# Altium PCB MiniPC.PcbDoc (part 1 of 23) (continued)
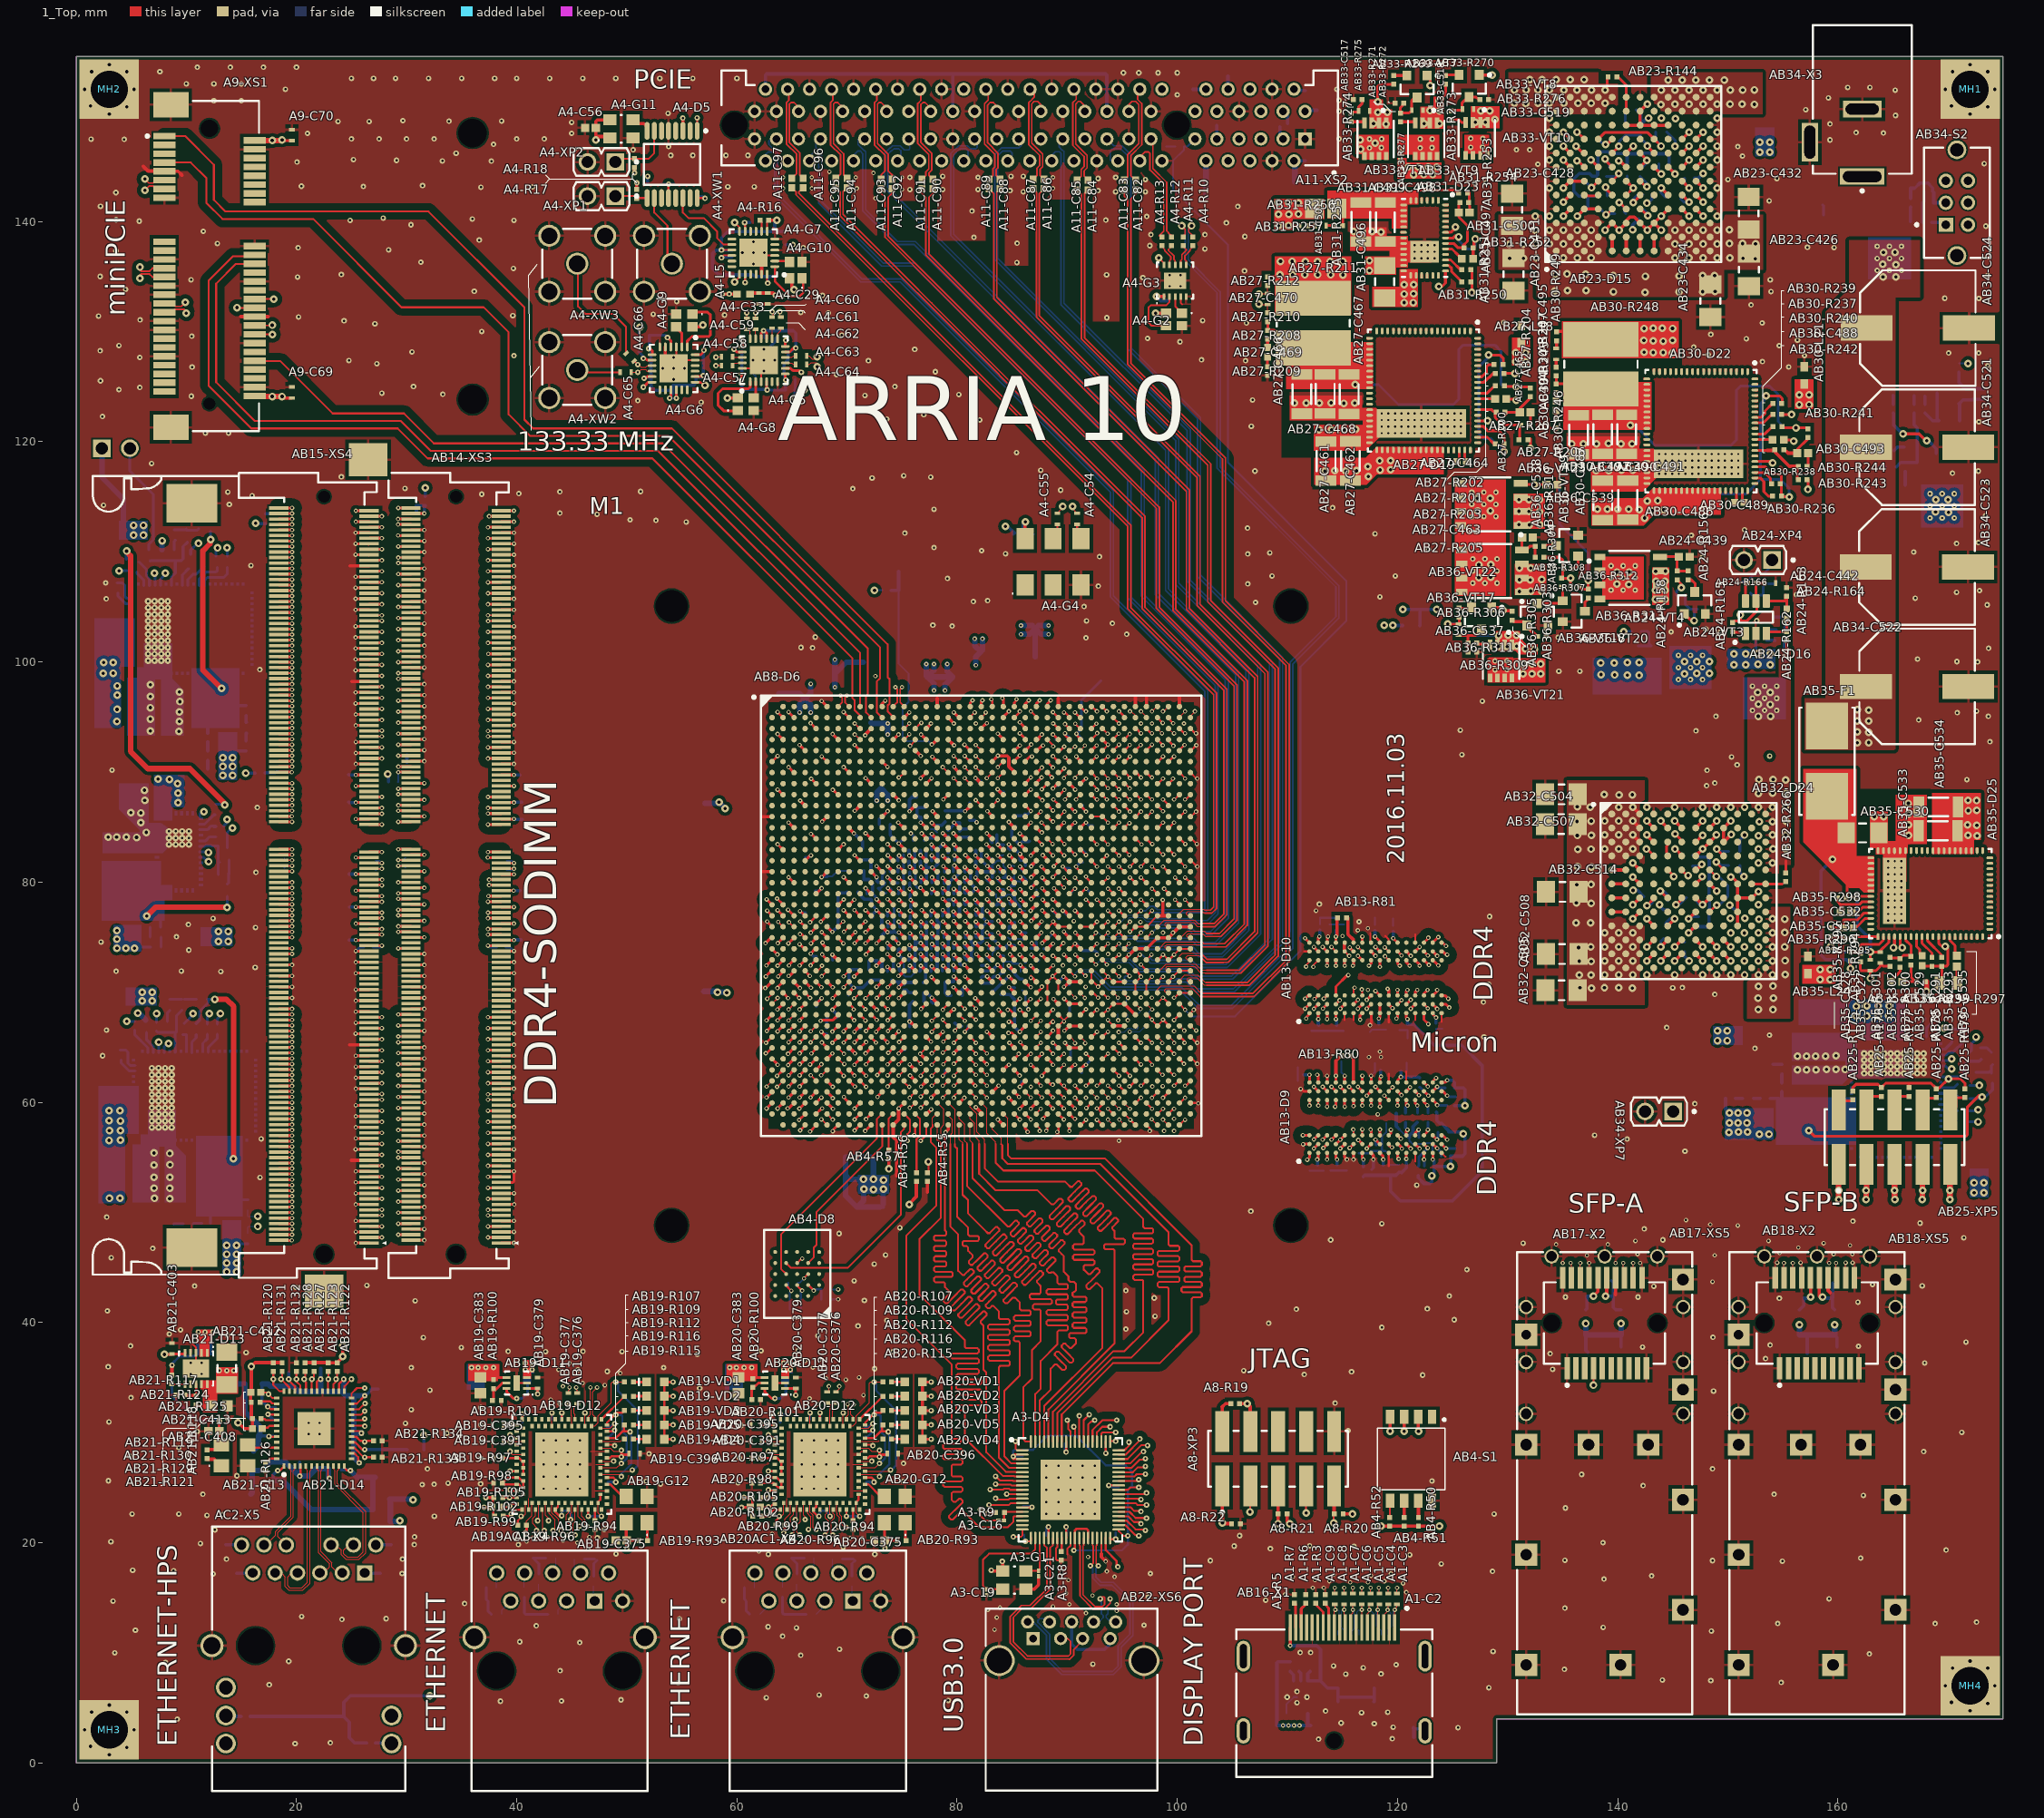
[diagram p0: 1_Top view]
## Design rules (kind name [scope] priority, off if disabled: settings) (continued)
Height [All] p1: minheight=0 maxheight=40 prefheight=10
HoleSize [All] p1: absolutevalues=TRUE maxlimit=5 minlimit=0.025 maxpercent=80.000 minpercent=20.000
Length Length_DDR4_ALERT0_BG0 [InNet('DDR4_ALERT0')or InNet('DDR4_BG0')] p1: maxlimit=114.2 minlimit=114
Length Length_SODIMM_DDR4_ADD_SIGN [((InNet('DDR4_BLK1.CTRL.ODT_1') OR InNet('DDR4_BLK1.CTRL.CS_1') OR InNet('DDR4_BLK1.CTRL.CKE_1')))] p2: maxlimit=106.4 minlimit=106.2
MatchedLengths MatchedLengths_ENET_HPS [InxSignalClass('xSignals_U11_U1')] p1: tolerance=0.5 checknetsindiffpair=FALSE checkdiffpairvsdiffpair=TRUE checkxsignals=TRUE checkothers=TRUE
MatchedLengths MatchedLengths_USB3 [InNetClass('USB3')] p2: tolerance=1 checknetsindiffpair=FALSE checkdiffpairvsdiffpair=TRUE checkxsignals=TRUE checkothers=TRUE
MatchedLengths MatchedLengths_PCIE_RX_TX_TX_C_CLK [InNetClass('PCIE_RX')or InNetClass('PCIE_TX')or InNetClass('PCIE_TX_C')or InNetClass('PCIE_CLK')] p3: tolerance=0.13 checknetsindiffpair=TRUE checkdiffpairvsdiffpair=FALSE checkxsignals=FALSE checkothers=FALSE
MatchedLengths MatchedLengths_DDR4_U1_U14 [InxSignalClass('xSignal_U1_U14')] p4: tolerance=0.2 checknetsindiffpair=FALSE checkdiffpairvsdiffpair=TRUE checkxsignals=TRUE checkothers=TRUE
MatchedLengths MatchedLengths_DDR4_U1_U15 [InxSignalClass('U14_U15')] p5: tolerance=0.2 checknetsindiffpair=FALSE checkdiffpairvsdiffpair=TRUE checkxsignals=TRUE checkothers=TRUE
MatchedLengths MatchedLengths_DDR4_SODIMM_J8_J20 [InxSignalClass('xSignals_J8_J20')] p6: tolerance=1 checknetsindiffpair=FALSE checkdiffpairvsdiffpair=TRUE checkxsignals=TRUE checkothers=TRUE
MatchedLengths MatchedLengths_DDR4_SODIMM_U1_J20 [InDifferentialPairClass('DDR4_SODIMM_CK2') or InDifferentialPairClass('DDR4_SODIMM_CK3') or InNet ('DDR4_BLK1.CTRL.ODT_1') or InNet ('DDR4_BLK1.CTRL.CS_1') or InNet ('DDR4_BLK1.CTRL.CKE_1')] p7: tolerance=0.2 checknetsindiffpair=FALSE checkdiffpairvsdiffpair=TRUE checkxsignals=TRUE checkothers=TRUE
MatchedLengths MatchedLengths_DDR4_SODIMM_U1_J8 [InxSignalClass('xSignals_U1_J8')] p8: tolerance=0.2 checknetsindiffpair=FALSE checkdiffpairvsdiffpair=TRUE checkxsignals=TRUE checkothers=TRUE
MatchedLengths MatchedLengths_BYTELINE_IC_DDR4 [InNetClass('DDR4_BYTELINE0')or InNetClass('DDR4_BYTELINE1')or InNetClass('DDR4_BYTELINE2')or InNetClass('DDR4_BYTELINE3')] p9: tolerance=0.2 checknetsindiffpair=FALSE checkdiffpairvsdiffpair=TRUE checkxsignals=TRUE checkothers=TRUE
MatchedLengths MatchedLengths_DDR4_DIFF [InDifferentialPairClass('DDR4_SODIMM_80')] p10: tolerance=0.1 checknetsindiffpair=TRUE checkdiffpairvsdiffpair=FALSE checkxsignals=FALSE checkothers=FALSE
MatchedLengths MatchedLengths_SFP [InDifferentialPairClass('SFPA_RX')OR InDifferentialPairClass('SFPA_TX')OR InDifferentialPairClass('SFPB_RX') OR InDifferentialPairClass('SFPB_TX')] p11: tolerance=0.5 checknetsindiffpair=TRUE checkdiffpairvsdiffpair=FALSE checkxsignals=FALSE checkothers=FALSE
MinimumSolderMaskSliver [All] p1: minsoldermaskwidth=0.01
NetAntennae [All] p1 off: netantennaetolerance=6
PlaneClearance PlaneClearance_SFP_VIA [InDifferentialPairClass('SFPA_RX')OR InDifferentialPairClass('SFPA_TX')OR InDifferentialPairClass('SFPB_RX') OR InDifferentialPairClass('SFPB_TX')] p1: clearance=0.8
PlaneClearance [All] p2: clearance=0.2
PolygonConnect PolygonConnect_Power [InNet('GND_DP_2')or InNet('aux_12V_1')or InNet('3V3_OUTPUT')or InNet ('Core_0V9_1') or InNet('12_OUTPUT') or InNet('3V3_1') or InNet('12V_INPUT')] p1: connectstyle=Direct reliefconductorwidth=0.254 reliefentries=4 polygonreliefangle="90 Angle" airgapwidth=0.254
PolygonConnect PolygonConnect_MH [(ObjectKind = 'Pad') And (Name Like 'MH*-MH1')] p2: connectstyle=Direct reliefconductorwidth=0.254 reliefentries=4 polygonreliefangle="90 Angle" airgapwidth=0.254
PolygonConnect PolygonConnect_via [IsVia] p3: connectstyle=Direct reliefconductorwidth=0.254 reliefentries=4 polygonreliefangle="90 Angle" airgapwidth=0.254
PolygonConnect PolygonConnect_Pad [InPadClass('Class_Term')or InPadClass('Class_Polygon')] p4: connectstyle=Direct reliefconductorwidth=0.254 reliefentries=4 polygonreliefangle="90 Angle" airgapwidth=0.254
PolygonConnect PolygonConnect_No_Polygon [InPadClass('Class No Polygon')] p5: connectstyle=NoConnect reliefconductorwidth=0.254 reliefentries=4 polygonreliefangle="90 Angle" airgapwidth=0.254
PolygonConnect PolygonConnect_GND [InNet('GND')] p6: thpad.connectstyle=Relief thpad.reliefconductorwidth=0.25 thpad.reliefentries=4 thpad.polygonreliefangle="90 Angle" thpad.airgapwidth=0.3 smdpad.connectstyle=Relief smdpad.reliefconductorwidth=0.25 smdpad.reliefentries=4 smdpad.polygonreliefangle="90 Angle" smdpad.airgapwidth=0.3 via.connectstyle=Direct via.reliefconductorwidth=0.25 via.reliefentries=4 via.polygonreliefangle="90 Angle" via.airgapwidth=0.3
PolygonConnect [All] p7: thpad.connectstyle=Relief thpad.reliefconductorwidth=0.3 thpad.reliefentries=4 thpad.polygonreliefangle="90 Angle" thpad.airgapwidth=0.25 smdpad.connectstyle=Relief smdpad.reliefconductorwidth=0.3 smdpad.reliefentries=4 smdpad.polygonreliefangle="90 Angle" smdpad.airgapwidth=0.25 via.connectstyle=Direct via.reliefconductorwidth=0.254 via.reliefentries=4 via.polygonreliefangle="90 Angle" via.airgapwidth=0.254
RoomDefinition "Board Template Connector" [InComponentClass('Board Template Connector')] p1: confinementstyle=ConfineIn formatcopy=TRUE lockcomponents=FALSE outline -212.6,-167.2 -161.8,-167.2 -161.8,-141.8 -212.6,-141.8
RoomDefinition AB25 [InComponentClass('AB25')] p2: confinementstyle=ConfineIn formatcopy=TRUE lockcomponents=FALSE outline -212.6,-167.2 -161.8,-167.2 -161.8,-141.8 -212.6,-141.8
RoomDefinition AB18 [InComponentClass('AB18')] p3: confinementstyle=ConfineIn formatcopy=TRUE lockcomponents=FALSE outline -212.6,-167.2 -161.8,-167.2 -161.8,-141.8 -212.6,-141.8
RoomDefinition AB17 [InComponentClass('AB17')] p4: confinementstyle=ConfineIn formatcopy=TRUE lockcomponents=FALSE outline -212.6,-167.2 -161.8,-167.2 -161.8,-141.8 -212.6,-141.8
RoomDefinition AB16 [InComponentClass('AB16')] p5: confinementstyle=ConfineIn formatcopy=TRUE lockcomponents=FALSE outline -212.6,-167.2 -161.8,-167.2 -161.8,-141.8 -212.6,-141.8
RoomDefinition AB15 [InComponentClass('AB15')] p6: confinementstyle=ConfineIn formatcopy=TRUE lockcomponents=FALSE outline -212.6,-167.2 -161.8,-167.2 -161.8,-141.8 -212.6,-141.8
RoomDefinition AB14 [InComponentClass('AB14')] p7: confinementstyle=ConfineIn formatcopy=TRUE lockcomponents=FALSE outline -212.6,-167.2 -161.8,-167.2 -161.8,-141.8 -212.6,-141.8
RoomDefinition AB13 [InComponentClass('AB13')] p8: confinementstyle=ConfineIn formatcopy=TRUE lockcomponents=FALSE outline -212.6,-167.2 -161.8,-167.2 -161.8,-141.8 -212.6,-141.8
RoomDefinition AB9 [InComponentClass('AB9')] p9: confinementstyle=ConfineIn formatcopy=TRUE lockcomponents=FALSE outline -212.6,-167.2 -161.8,-167.2 -161.8,-141.8 -212.6,-141.8
RoomDefinition AB7 [InComponentClass('AB7')] p10: confinementstyle=ConfineIn formatcopy=TRUE lockcomponents=FALSE outline -212.6,-167.2 -161.8,-167.2 -161.8,-141.8 -212.6,-141.8
RoomDefinition AB4 [InComponentClass('AB4')] p11: confinementstyle=ConfineIn formatcopy=TRUE lockcomponents=FALSE outline -212.6,-167.2 -161.8,-167.2 -161.8,-141.8 -212.6,-141.8
RoomDefinition AB3 [InComponentClass('AB3')] p12: confinementstyle=ConfineIn formatcopy=TRUE lockcomponents=FALSE outline -212.6,-167.2 -161.8,-167.2 -161.8,-141.8 -212.6,-141.8
RoomDefinition AB2 [InComponentClass('AB2')] p13: confinementstyle=ConfineIn formatcopy=TRUE lockcomponents=FALSE outline -212.6,-167.2 -161.8,-167.2 -161.8,-141.8 -212.6,-141.8
RoomDefinition A11 [InComponentClass('A11')] p14: confinementstyle=ConfineIn formatcopy=TRUE lockcomponents=FALSE outline -212.6,-167.2 -161.8,-167.2 -161.8,-141.8 -212.6,-141.8
RoomDefinition A9 [InComponentClass('A9')] p15: confinementstyle=ConfineIn formatcopy=TRUE lockcomponents=FALSE outline -212.6,-167.2 -161.8,-167.2 -161.8,-141.8 -212.6,-141.8
RoomDefinition A8 [InComponentClass('A8')] p16: confinementstyle=ConfineIn formatcopy=TRUE lockcomponents=FALSE outline -212.6,-167.2 -161.8,-167.2 -161.8,-141.8 -212.6,-141.8
RoomDefinition A4 [InComponentClass('A4')] p17: confinementstyle=ConfineIn formatcopy=TRUE lockcomponents=FALSE outline -212.6,-167.2 -161.8,-167.2 -161.8,-141.8 -212.6,-141.8
RoomDefinition A3 [InComponentClass('A3')] p18: confinementstyle=ConfineIn formatcopy=TRUE lockcomponents=FALSE outline -212.6,-167.2 -161.8,-167.2 -161.8,-141.8 -212.6,-141.8
RoomDefinition A1 [InComponentClass('A1')] p19: confinementstyle=ConfineIn formatcopy=TRUE lockcomponents=FALSE outline -212.6,-167.2 -161.8,-167.2 -161.8,-141.8 -212.6,-141.8
RoomDefinition AB20 [InComponentClass('AB20')] p20: confinementstyle=ConfineIn formatcopy=TRUE lockcomponents=FALSE outline 58.1,-3 78.65,-3 78.65,36.9 58.1,36.9
RoomDefinition AC11 [InComponentClass('AC11')] p21: confinementstyle=ConfineIn formatcopy=TRUE lockcomponents=FALSE outline 117.535,32.71 124.935,32.71 124.935,20.7 117.535,20.7
RoomDefinition AC2 [InComponentClass('AC2')] p22: confinementstyle=ConfineIn formatcopy=TRUE lockcomponents=FALSE outline 62.625,48.8 69.525,48.8 69.525,40 62.625,40
RoomDefinition AC12 [InComponentClass('AC12')] p23: confinementstyle=ConfineIn formatcopy=TRUE lockcomponents=FALSE outline 56.3,97.8 102.8,97.8 102.8,56.2 56.3,56.2
RoomDefinition AB35 [InComponentClass('AB35')] p24: confinementstyle=ConfineIn formatcopy=TRUE lockcomponents=FALSE outline 110.6,63 125.4,63 125.4,52.62 110.6,52.62
RoomDefinition AB32 [InComponentClass('AB32')] p25: confinementstyle=ConfineIn formatcopy=TRUE lockcomponents=FALSE outline 110.6,75.7 125.4,75.7 125.4,66.9 110.6,66.9
RoomDefinition AB28 [InComponentClass('AB28')] p26: confinementstyle=ConfineIn formatcopy=TRUE lockcomponents=FALSE outline 16.6,43.7 29.2,43.7 29.2,117.15 16.6,117.15
RoomDefinition AB27 [InComponentClass('AB27')] p27: confinementstyle=ConfineIn formatcopy=TRUE lockcomponents=FALSE outline 25,43.8 41.5,43.8 41.5,117.2 25,117.2
RoomDefinition AB33 [InComponentClass('AB33')] p28: confinementstyle=ConfineIn formatcopy=TRUE lockcomponents=FALSE outline 102.46,33.325 102.46,20.925 116.46,20.925 116.46,33.325
RoomDefinition AB26 [InComponentClass('AB26')] p29: confinementstyle=ConfineIn formatcopy=TRUE lockcomponents=FALSE outline 129.27,144.3 129.27,154 115.2,154 115.2,144.3
RoomDefinition AB34 [InComponentClass('AB34')] p30: confinementstyle=ConfineIn formatcopy=TRUE lockcomponents=FALSE outline 124.9,97.9 137.8,97.9 137.8,117 124.9,117
RoomDefinition AB36 [InComponentClass('AB36')] p31: confinementstyle=ConfineIn formatcopy=TRUE lockcomponents=FALSE outline 17.8,119.25 17.8,152.45 5.7,152.45 5.7,119.25
RoomDefinition AB19 [InComponentClass('AB19')] p32: confinementstyle=ConfineIn formatcopy=TRUE lockcomponents=FALSE outline 155,158 175,158 175,91 174.5,91.5 158,91.5 158,131.5 155,131.5
RoomDefinition AB31 [InComponentClass('AB31')] p33: confinementstyle=ConfineIn formatcopy=TRUE lockcomponents=FALSE outline 173.575,51.3 173.575,70.131 152.975,70.131 152.975,51.3
RoomDefinition AB1 [InComponentClass('AB1')] p34: confinementstyle=ConfineIn formatcopy=TRUE lockcomponents=FALSE outline 81.4,-3 98.8,-3 98.8,32.225 81.4,32.225
RoomDefinition AB29 [InComponentClass('AB29')] p35: confinementstyle=ConfineIn formatcopy=TRUE lockcomponents=FALSE outline 32.9,40.125 7.287,40.125 7.287,-2.9 32.9,-2.9
RoomDefinition AB21 [InComponentClass('AB21')] p36: confinementstyle=ConfineIn formatcopy=TRUE lockcomponents=FALSE outline 123.95,16.9 104.8,16.9 104.8,-6.1 123.95,-6.1
RoomDefinition AB24 [InComponentClass('AB24')] p37: confinementstyle=ConfineIn formatcopy=TRUE lockcomponents=FALSE outline 149.6,-3.8 166.6,-3.8 166.6,47.7 149.6,47.7
RoomDefinition AB23 [InComponentClass('AB23')] p38: confinementstyle=ConfineIn formatcopy=TRUE lockcomponents=FALSE outline 130.3,-3.8 147.3,-3.8 147.3,47.7 130.3,47.7
RoomDefinition AB30 [InComponentClass('AB30')] p39: confinementstyle=ConfineIn formatcopy=TRUE lockcomponents=FALSE outline 34.65,-3 55.2,-3 55.2,36.9 34.65,36.9
RoomDefinition AB22 [InComponentClass('AB22')] p40: confinementstyle=ConfineIn formatcopy=TRUE lockcomponents=FALSE outline 115.2,142.1 115.2,156.75 57.6,156.75 57.6,142.1
RoutingVias "VIA 0.4_0.2" [WithinRoom('Room_U1')or WithinRoom('RoomDefinition_U10')or WithinRoom('Sheet_9_Display_Port')or InDifferentialPairClass('SFPA_RX')or InDifferentialPairClass('SFPA_TX')OR InDifferentialPairClass('SFPB_RX') OR InDifferentialPairClass('SFPB_TX')or WithinRoom('Room_SDRAM_1')or WithinRoom('Room_SDRAM_2')] p1: holewidth=0.2 width=0.4 viastyle="Through Hole" minholewidth=0.2 minwidth=0.4 maxholewidth=0.3 maxwidth=0.7
RoutingVias "VIA 0.2_0.5" [WithinRoom('Sheet_6_Ethernet2')or WithinRoom('Sheet_5_Ethernet1')or WithinRoom('Sheet_18_USB3.0')or WithinRoom('Sheet_21_PLL1')] p2: holewidth=0.2 width=0.5 viastyle="Through Hole" minholewidth=0.2 minwidth=0.4 maxholewidth=0.3 maxwidth=0.7
RoutingVias VIA_ALL [All] p3: holewidth=0.3 width=0.4 viastyle="Through Hole" minholewidth=0.2 minwidth=0.3 maxholewidth=0.3 maxwidth=0.7
RoutingVias VIA_POWER [WithinRoom('Sheet_24_12V_to_3V3')or WithinRoom('Sheet_26_3V3_to_1V8')or WithinRoom('Sheet_25_3V3_to_2V5')or WithinRoom('Sheet_27_12V_3V3_1V8_Swiches') or WithinRoom('Sheet_37_2.5V_and_1.8V_Switches')or WithinRoom('Sheet_39_3.3V_and_1.8V_Load')or WithinRoom('Sheet_38_3.3V_and_1.8V_Load')or WithinRoom('Sheet_33_3.3V_to_DDR4_VDD') or WithinRoom('Sheet_23_12V_to_5V')or WithinRoom('Sheet_28_12V_to_0V9')or WithinRoom('Sheet_31_3.3V_to_1.0V')or WithinRoom('Sheet_30_3.3V_to_0.9V')or WithinRoom('Sheet_29_3V3_to_0V9')or WithinRoom('Sheet_35_3.3V_to_VADJ')] p4: holewidth=0.3 width=0.7 viastyle="Through Hole" minholewidth=0.2 minwidth=0.4 maxholewidth=0.3 maxwidth=0.7
ShortCircuit ShortCircuit_1 [not InAnyNet vs not InAnyNet] p1: allowed=TRUE
ShortCircuit [All] p2: allowed=FALSE
SilkToSilkClearance [All] p1: silktosilkclearance=0.02
SilkToSolderMaskClearance [IsPad] p1: minsilkscreentomaskgap=0.01 clearancetoexposedcopper=TRUE
SolderMaskExpansion [All] p1: expansion=0.04 useseparateexpansions=TRUE expansionbottom=0.04
ViasUnderSMD ViasUnderSMD_TERM [InPadClass('Class_Term')] p1: allowed=TRUE
ViasUnderSMD [All] p2: allowed=TRUE
Width Width_POWER [InNet('PCIE_AUX3V3')or InNet('PCIE_DC_3V3')or InNet('3V3')or InNet('IO_5V')] p1: maxlimit=1 minlimit=0.25 preferedwidth=0.7
Width Width_ENET_HPS [InNetClass('ENET_HPS')] p2: maxlimit=0.254 minlimit=0.1 preferedwidth=0.254 toplayer_maxwidth=0.17 toplayer_prefwidth=0.17 midlayer1_maxwidth=0.1 midlayer1_prefwidth=0.1 midlayer2_maxwidth=0.1 midlayer2_prefwidth=0.1 midlayer3_maxwidth=0.1 midlayer3_prefwidth=0.1 midlayer4_maxwidth=0.1 midlayer4_prefwidth=0.1 bottomlayer_maxwidth=0.17 bottomlayer_prefwidth=0.17 minimp=50.000000 maximp=50.000000 favimp=50.000000
Width Width_PCIE_50 [InNetClass('PCIE_Upr')] p3: maxlimit=0.254 minlimit=0.1 preferedwidth=0.254 toplayer_maxwidth=0.17 toplayer_prefwidth=0.17 midlayer1_maxwidth=0.1 midlayer1_prefwidth=0.1 midlayer2_maxwidth=0.1 midlayer2_prefwidth=0.1 midlayer3_maxwidth=0.1 midlayer3_prefwidth=0.1 midlayer4_maxwidth=0.1 midlayer4_prefwidth=0.1 midlayer5_minwidth=0.254 midlayer6_minwidth=0.254 midlayer7_minwidth=0.254 midlayer8_minwidth=0.254 midlayer9_minwidth=0.254 midlayer10_minwidth=0.254 midlayer11_minwidth=0.254 midlayer12_minwidth=0.254 midlayer13_minwidth=0.254 midlayer14_minwidth=0.254 bottomlayer_maxwidth=0.17 bottomlayer_prefwidth=0.17 minimp=50.000000 maximp=50.000000 favimp=50.000000
Width Width_USB3_50 [InNetClass('USB3')] p4: maxlimit=0.25 minlimit=0.1 preferedwidth=0.2 toplayer_maxwidth=0.17 toplayer_prefwidth=0.17 midlayer1_maxwidth=0.1 midlayer1_prefwidth=0.1 midlayer2_maxwidth=0.1 midlayer2_prefwidth=0.1 midlayer3_maxwidth=0.1 midlayer3_prefwidth=0.1 midlayer4_maxwidth=0.1 midlayer4_prefwidth=0.1 bottomlayer_maxwidth=0.17 bottomlayer_prefwidth=0.17 minimp=50.000000 maximp=50.000000 favimp=50.000000
Width Widht_DDR4_40 [InNetClass('DDR4_40')] p5: maxlimit=0.3 minlimit=0.15 preferedwidth=0.25 toplayer_minwidth=0.25 toplayer_maxwidth=0.25 midlayer1_maxwidth=0.15 midlayer1_prefwidth=0.15 midlayer2_maxwidth=0.15 midlayer2_prefwidth=0.15 midlayer3_maxwidth=0.15 midlayer3_prefwidth=0.15 midlayer4_maxwidth=0.15 midlayer4_prefwidth=0.15 midlayer5_minwidth=0.2 midlayer6_minwidth=0.2 midlayer7_minwidth=0.2 midlayer8_minwidth=0.2 midlayer9_minwidth=0.2 midlayer10_minwidth=0.2 midlayer11_minwidth=0.2 midlayer12_minwidth=0.2 midlayer13_minwidth=0.2 midlayer14_minwidth=0.2 bottomlayer_minwidth=0.25 bottomlayer_maxwidth=0.25 minimp=50.000000 maximp=50.000000 favimp=50.000000
Width Width_sheet_6_and_5_ethernet2 [WithinRoom('Sheet_6_Ethernet2')or WithinRoom('Sheet_5_Ethernet1')] p6: maxlimit=0.25 minlimit=0.1 preferedwidth=0.2
Width [All] p7: maxlimit=0.5 minlimit=0.1 preferedwidth=0.3 toplayer_minwidth=0.17 bottomlayer_minwidth=0.17 minimp=50.000000 maximp=50.000000 favimp=50.000000
Width Width_sheet18_usb3 [WithinRoom('Sheet_18_USB3.0')] p8: maxlimit=0.3 minlimit=0.2 preferedwidth=0.25
Width Width_Power_Sheet12 [InNet('1.2V_DVDDL') or InNet('1.2V_AVDLL_PLL')or InNet('1.2V_AVDDL')or InNet('3.3V_AVDDH')] p9: maxlimit=0.6 minlimit=0.2 preferedwidth=0.25 toplayer_maxwidth=0.3 midlayer1_maxwidth=0.3 midlayer2_maxwidth=0.3 midlayer3_maxwidth=0.3 midlayer4_maxwidth=0.3 midlayer5_maxwidth=0.3 midlayer6_maxwidth=0.3 midlayer7_maxwidth=0.3 midlayer8_maxwidth=0.3 midlayer9_maxwidth=0.3 midlayer10_maxwidth=0.3 midlayer11_maxwidth=0.3 midlayer12_maxwidth=0.3 midlayer13_maxwidth=0.3 midlayer14_maxwidth=0.3 bottomlayer_minwidth=0.3 bottomlayer_prefwidth=0.5 minimp=50.000000 maximp=50.000000 favimp=50.000000
Width Width_Sheet_12 [WithinRoom('Sheet_12_Ethernet-HPS')] p10: maxlimit=0.3 minlimit=0.2 preferedwidth=0.25
Width Power [WithinRoom('Sheet_22_12V_POWER')or WithinRoom('Sheet_24_12V_to_3V3')or WithinRoom('Sheet_26_3V3_to_1V8')or WithinRoom('Sheet_25_3V3_to_2V5')or WithinRoom('Sheet_27_12V_3V3_1V8_Swiches')or WithinRoom('Sheet_37_2.5V_and_1.8V_Switches')or WithinRoom('Sheet_39_3.3V_and_1.8V_Load')or WithinRoom('Sheet_38_3.3V_and_1.8V_Load')or WithinRoom('Sheet_33_3.3V_to_DDR4_VDD')or WithinRoom('Sheet_23_12V_to_5V')or WithinRoom('Sheet_28_12V_to_0V9')or WithinRoom('Sheet_31_3.3V_to_1.0V')or WithinRoom('Sheet_30_3.3V_to_0.9V')or WithinRoom('Sheet_29_3V3_to_0V9')or WithinRoom('Sheet_35_3.3V_to_VADJ')] p11: maxlimit=0.5 minlimit=0.1 preferedwidth=0.15 toplayer_minwidth=0.25 toplayer_prefwidth=0.3 midlayer1_maxwidth=0.254 midlayer2_maxwidth=0.254 midlayer3_maxwidth=0.254 midlayer4_maxwidth=0.254 midlayer5_maxwidth=0.254 midlayer6_maxwidth=0.254 midlayer7_maxwidth=0.254 midlayer8_maxwidth=0.254 midlayer9_maxwidth=0.254 midlayer10_maxwidth=0.254 midlayer11_maxwidth=0.254 midlayer12_maxwidth=0.254 midlayer13_maxwidth=0.254 midlayer14_maxwidth=0.254 bottomlayer_minwidth=0.25 bottomlayer_prefwidth=0.3 minimp=50.000000 maximp=50.000000 favimp=50.000000
20 further rules are at their usual default settings.

## Classes and differential pairs
component class "Board Template Connector": A9-XS1
channel class "SFP Connector": AB17 AB18
channel class "Ethernet Interface": AB19 AB20
channel class "Ethernet Connector": AC11 AC12
net class USB3_BE[0..3]: USB3_BE0 USB3_BE1 USB3_BE2 USB3_BE3
net class USB3_DATA[0..31]: USB3_DATA0 USB3_DATA1 USB3_DATA2 USB3_DATA3 USB3_DATA4 USB3_DATA5 USB3_DATA6 USB3_DATA7 USB3_DATA8 USB3_DATA9 USB3_DATA10 USB3_DATA11 USB3_DATA12 USB3_DATA13 USB3_DATA14 USB3_DATA15 USB3_DATA16 USB3_DATA17 USB3_DATA18 USB3_DATA19 USB3_DATA20 USB3_DATA21 USB3_DATA22 USB3_DATA23 USB3_DATA24 USB3_DATA25 USB3_DATA26 USB3_DATA27 USB3_DATA28 USB3_DATA29 USB3_DATA30 USB3_DATA31
net class ENET_TXD[0..3]: ENET_TXD0 ENET_TXD1 ENET_TXD2 ENET_TXD3
net class ENET_RXD[0..3]: ENET_RXD0 ENET_RXD1 ENET_RXD2 ENET_RXD3
net class DDR4_INT.ADDR.BG[0..1]: DDR4_INT.ADDR.BG0 DDR4_INT.ADDR.BG1
net class DDR4_INT.ADDR.BA[0..1]: DDR4_INT.ADDR.BA0 DDR4_INT.ADDR.BA1
net class DDR4_INT.ADDR.A[0..13]: DDR4_INT.ADDR.A0 DDR4_INT.ADDR.A1 DDR4_INT.ADDR.A2 DDR4_INT.ADDR.A3 DDR4_INT.ADDR.A4 DDR4_INT.ADDR.A5 DDR4_INT.ADDR.A6 DDR4_INT.ADDR.A7 DDR4_INT.ADDR.A8 DDR4_INT.ADDR.A9 DDR4_INT.ADDR.A10 DDR4_INT.ADDR.A11 DDR4_INT.ADDR.A12 DDR4_INT.ADDR.A13
net class DDR4_BLK1.CTRL.SA[0..2]: DDR4_BLK1.CTRL.SA0 DDR4_BLK1.CTRL.SA1 DDR4_BLK1.CTRL.SA2
net class DDR4_BLK1.ADDR.BG[0..1]: DDR4_BLK1.ADDR.BG0 DDR4_BLK1.ADDR.BG1
net class DDR4_BLK1.ADDR.BA[0..1]: DDR4_BLK1.ADDR.BA0 DDR4_BLK1.ADDR.BA1
net class DDR4_BLK1.ADDR.A[0..16]: DDR4_BLK1.ADDR.A0 DDR4_BLK1.ADDR.A1 DDR4_BLK1.ADDR.A2 DDR4_BLK1.ADDR.A3 DDR4_BLK1.ADDR.A4 DDR4_BLK1.ADDR.A5 DDR4_BLK1.ADDR.A6 DDR4_BLK1.ADDR.A7 DDR4_BLK1.ADDR.A8 DDR4_BLK1.ADDR.A9 DDR4_BLK1.ADDR.A10 DDR4_BLK1.ADDR.A11 DDR4_BLK1.ADDR.A12 DDR4_BLK1.ADDR.A13 DDR4_BLK1.ADDR.A14 DDR4_BLK1.ADDR.A15 DDR4_BLK1.ADDR.A16
component class AC12: AB19AC1-X4 AB20AC1-X4
component class AC11: AB19AC1-X4
component class AC2: AC2-C540 AC2-C541 AC2-C542 AC2-C543 AC2-R314 AC2-R315 AC2-X5
component class AB22: AB22-XS6
component class AB16: AB16-X1
net class CLK_DIFF_PCIE: CLK_DIFF1_N CLK_DIFF1_P CLK_DIFF2_N CLK_DIFF2_P
differential pair class USB3_85: USB3_D USB3_SSRX USB3_SSTX USB3_TOD
net class ENET_HPS: CLK DATA ENET_GTX_CLK ENET_RX_CLK ENET_RX_DV ENET_RXD0 ENET_RXD1 ENET_RXD2 ENET_RXD3 ENET_TX_EN
differential pair class 100: A10_HLVDDI AMDI0 AMDI1 AMDI2 AMDI3 BMDI0 BMDI1 BMDI2 BMDI3 CLK_DIFF1 CLK_DIFF2 CLK_ENET_FPGA DP_ML_LANE0 DP_ML_LANE0_C DP_ML_LANE1 DP_ML_LANE1_C DP_ML_LANE2 DP_ML_LANE2_C DP_ML_LANE3 DP_ML_LANE3_C ENETA_RX ENETA_RXC ENETA_TX ENETA_TXC ENETB_RX ENETB_RXC ENETB_TX ENETB_TXC MINI_PCIE_PER MINIPCIE_PET MINIPCIE_REFCLK REFCLK0_FMCB REFCLK1_FMCB REFCLK_DP REFCLK_SDI REFCLK_SMA SFPA_RX SFPA_TX SFPB_RX SFPB_TX TRD1 TRD2 TRD3 TRD4
differential pair class DDR_CKL: DDR4_CLK
net class DDR4_ADDR/C/C: DDR4_INT.ADDR.A0 DDR4_INT.ADDR.A1 DDR4_INT.ADDR.A2 DDR4_INT.ADDR.A3 DDR4_INT.ADDR.A4 DDR4_INT.ADDR.A5 DDR4_INT.ADDR.A6 DDR4_INT.ADDR.A7 DDR4_INT.ADDR.A8 DDR4_INT.ADDR.A9 DDR4_INT.ADDR.A10 DDR4_INT.ADDR.A11 DDR4_INT.ADDR.A12 DDR4_INT.ADDR.A13 DDR4_INT.ADDR.BA0 DDR4_INT.ADDR.BA1 DDR4_INT.ADDR.BG0 DDR4_INT.ADDR.BG1 DDR4_INT.CTRL.ACT DDR4_INT.CTRL.ALERT0 DDR4_INT.CTRL.ALERT1 DDR4_INT.CTRL.CAS DDR4_INT.CTRL.CKE DDR4_INT.CTRL.CLK_N DDR4_INT.CTRL.CLK_P DDR4_INT.CTRL.CSn DDR4_INT.CTRL.ODT DDR4_INT.CTRL.PAR DDR4_INT.CTRL.RAS DDR4_INT.CTRL.RESETn DDR4_INT.CTRL.WEn
net class DDR4_SODIMM_ADDR/C/C: DDR4_BLK1.ADDR.A0 DDR4_BLK1.ADDR.A1 DDR4_BLK1.ADDR.A2 DDR4_BLK1.ADDR.A3 DDR4_BLK1.ADDR.A4 DDR4_BLK1.ADDR.A5 DDR4_BLK1.ADDR.A6 DDR4_BLK1.ADDR.A7 DDR4_BLK1.ADDR.A8 DDR4_BLK1.ADDR.A9 DDR4_BLK1.ADDR.A10 DDR4_BLK1.ADDR.A11 DDR4_BLK1.ADDR.A12 DDR4_BLK1.ADDR.A13 DDR4_BLK1.ADDR.A14 DDR4_BLK1.ADDR.A15 DDR4_BLK1.ADDR.A16 DDR4_BLK1.ADDR.BA0 DDR4_BLK1.ADDR.BA1 DDR4_BLK1.ADDR.BG0 DDR4_BLK1.ADDR.BG1 DDR4_BLK1.CTRL.ACT DDR4_BLK1.CTRL.ALERT DDR4_BLK1.CTRL.CKE DDR4_BLK1.CTRL.CS DDR4_BLK1.CTRL.ODT DDR4_BLK1.CTRL.PARITY DDR4_BLK1.CTRL.RESET DDR4_BLK1.CTRL.SA0 DDR4_BLK1.CTRL.SA1 DDR4_BLK1.CTRL.SA2 DDR4_BLK1.CTRL.SCL DDR4_BLK1.CTRL.SDA DDR4_BLK2.CTRL.CKE DDR4_BLK2.CTRL.CS DDR4_BLK2.CTRL.ODT
net class DDR4_BYTELINE2: DDR4_INT.DL3.DM2 DDR4_INT.DL3.DQ16 DDR4_INT.DL3.DQ17 DDR4_INT.DL3.DQ18 DDR4_INT.DL3.DQ19 DDR4_INT.DL3.DQ20 DDR4_INT.DL3.DQ21 DDR4_INT.DL3.DQ22 DDR4_INT.DL3.DQ23 DDR4_INT.DL3.DQS2_N DDR4_INT.DL3.DQS2_P
net class DDR4_BYTELINE3: DDR4_INT.DL4.DM3 DDR4_INT.DL4.DQ24 DDR4_INT.DL4.DQ25 DDR4_INT.DL4.DQ26 DDR4_INT.DL4.DQ27 DDR4_INT.DL4.DQ28 DDR4_INT.DL4.DQ29 DDR4_INT.DL4.DQ30 DDR4_INT.DL4.DQ31 DDR4_INT.DL4.DQS3_N DDR4_INT.DL4.DQS3_P
net class DDR4_BYTELINE1: DDR4_INT.DL2.DM1 DDR4_INT.DL2.DQ8 DDR4_INT.DL2.DQ9 DDR4_INT.DL2.DQ10 DDR4_INT.DL2.DQ11 DDR4_INT.DL2.DQ12 DDR4_INT.DL2.DQ13 DDR4_INT.DL2.DQ14 DDR4_INT.DL2.DQ15 DDR4_INT.DL2.DQS1_N DDR4_INT.DL2.DQS1_P
net class DDR4_BYTELINE0: DDR4_INT.DL1.DM0 DDR4_INT.DL1.DQ0 DDR4_INT.DL1.DQ1 DDR4_INT.DL1.DQ2 DDR4_INT.DL1.DQ3 DDR4_INT.DL1.DQ4 DDR4_INT.DL1.DQ5 DDR4_INT.DL1.DQ6 DDR4_INT.DL1.DQ7 DDR4_INT.DL1.DQS0_N DDR4_INT.DL1.DQS0_P
differential pair class DDR4_SODIMM_CK3: DDR4_SODIMM_CK3
differential pair class DDR4_SODIMM_CK2: DDR4_SODIMM_CK2
differential pair class DDR4_SODIMM_CK1: DDR4_SODIMM_CK1
differential pair class DDR4_SODIMM_CK0: DDR4_SODIMM_CK0
net class DDR4_SODIMM_BYTELINE7: DDR4_BLK1.DL8.DM7 DDR4_BLK1.DL8.DQ56 DDR4_BLK1.DL8.DQ57 DDR4_BLK1.DL8.DQ58 DDR4_BLK1.DL8.DQ59 DDR4_BLK1.DL8.DQ60 DDR4_BLK1.DL8.DQ61 DDR4_BLK1.DL8.DQ62 DDR4_BLK1.DL8.DQ63 DDR4_BLK1.DL8.DQS7_N DDR4_BLK1.DL8.DQS7_P
net class DDR4_SODIMM_BYTELINE6: DDR4_BLK1.DL7.DM6 DDR4_BLK1.DL7.DQ48 DDR4_BLK1.DL7.DQ49 DDR4_BLK1.DL7.DQ50 DDR4_BLK1.DL7.DQ51 DDR4_BLK1.DL7.DQ52 DDR4_BLK1.DL7.DQ53 DDR4_BLK1.DL7.DQ54 DDR4_BLK1.DL7.DQ55 DDR4_BLK1.DL7.DQS6_N DDR4_BLK1.DL7.DQS6_P
net class DDR4_SODIMM_BYTELINE5: DDR4_BLK1.DL6.DM5 DDR4_BLK1.DL6.DQ40 DDR4_BLK1.DL6.DQ41 DDR4_BLK1.DL6.DQ42 DDR4_BLK1.DL6.DQ43 DDR4_BLK1.DL6.DQ44 DDR4_BLK1.DL6.DQ45 DDR4_BLK1.DL6.DQ46 DDR4_BLK1.DL6.DQ47 DDR4_BLK1.DL6.DQS5_N DDR4_BLK1.DL6.DQS5_P
net class DDR4_SODIMM_BYTELINE4: DDR4_BLK1.DL5.DM4 DDR4_BLK1.DL5.DQ32 DDR4_BLK1.DL5.DQ33 DDR4_BLK1.DL5.DQ34 DDR4_BLK1.DL5.DQ35 DDR4_BLK1.DL5.DQ36 DDR4_BLK1.DL5.DQ37 DDR4_BLK1.DL5.DQ38 DDR4_BLK1.DL5.DQ39 DDR4_BLK1.DL5.DQS4_N DDR4_BLK1.DL5.DQS4_P
net class DDR4_SODIMM_BYTELINE3: DDR4_BLK1.DL4.DM3 DDR4_BLK1.DL4.DQ24 DDR4_BLK1.DL4.DQ25 DDR4_BLK1.DL4.DQ26 DDR4_BLK1.DL4.DQ27 DDR4_BLK1.DL4.DQ28 DDR4_BLK1.DL4.DQ29 DDR4_BLK1.DL4.DQ30 DDR4_BLK1.DL4.DQ31 DDR4_BLK1.DL4.DQS3_N DDR4_BLK1.DL4.DQS3_P
net class DDR4_SODIMM_BYTELINE2: DDR4_BLK1.DL3.DM2 DDR4_BLK1.DL3.DQ16 DDR4_BLK1.DL3.DQ17 DDR4_BLK1.DL3.DQ18 DDR4_BLK1.DL3.DQ19 DDR4_BLK1.DL3.DQ20 DDR4_BLK1.DL3.DQ21 DDR4_BLK1.DL3.DQ22 DDR4_BLK1.DL3.DQ23 DDR4_BLK1.DL3.DQS2_N DDR4_BLK1.DL3.DQS2_P
net class DDR4_SODIMM_BYTELINE1: DDR4_BLK1.DL2.DM1 DDR4_BLK1.DL2.DQ8 DDR4_BLK1.DL2.DQ9 DDR4_BLK1.DL2.DQ10 DDR4_BLK1.DL2.DQ11 DDR4_BLK1.DL2.DQ12 DDR4_BLK1.DL2.DQ13 DDR4_BLK1.DL2.DQ14 DDR4_BLK1.DL2.DQ15 DDR4_BLK1.DL2.DQS1_N DDR4_BLK1.DL2.DQS1_P
net class DDR4_SODIMM_BYTELINE0: DDR4_BLK1.DL1.DM0 DDR4_BLK1.DL1.DQ0 DDR4_BLK1.DL1.DQ1 DDR4_BLK1.DL1.DQ2 DDR4_BLK1.DL1.DQ3 DDR4_BLK1.DL1.DQ4 DDR4_BLK1.DL1.DQ5 DDR4_BLK1.DL1.DQ6 DDR4_BLK1.DL1.DQ7 DDR4_BLK1.DL1.DQS0_N DDR4_BLK1.DL1.DQS0_P